# Altium PCB MAIN_BOARD_V3.PcbDoc (part 3 of 4)
Units mm, origin at the board's own origin, x right, y up, seen from the top; angles counter-clockwise.
Board outline 130 x 150 mm, 4 copper layers (TOP, GND/INT_SIG_1, GND/INT_SIG_2, BOTTOM), stack 1.586 mm thick; 408 components, 346 nets, 1739 pads, 289 vias.
Unrouted connection lines stored in the file: 773.
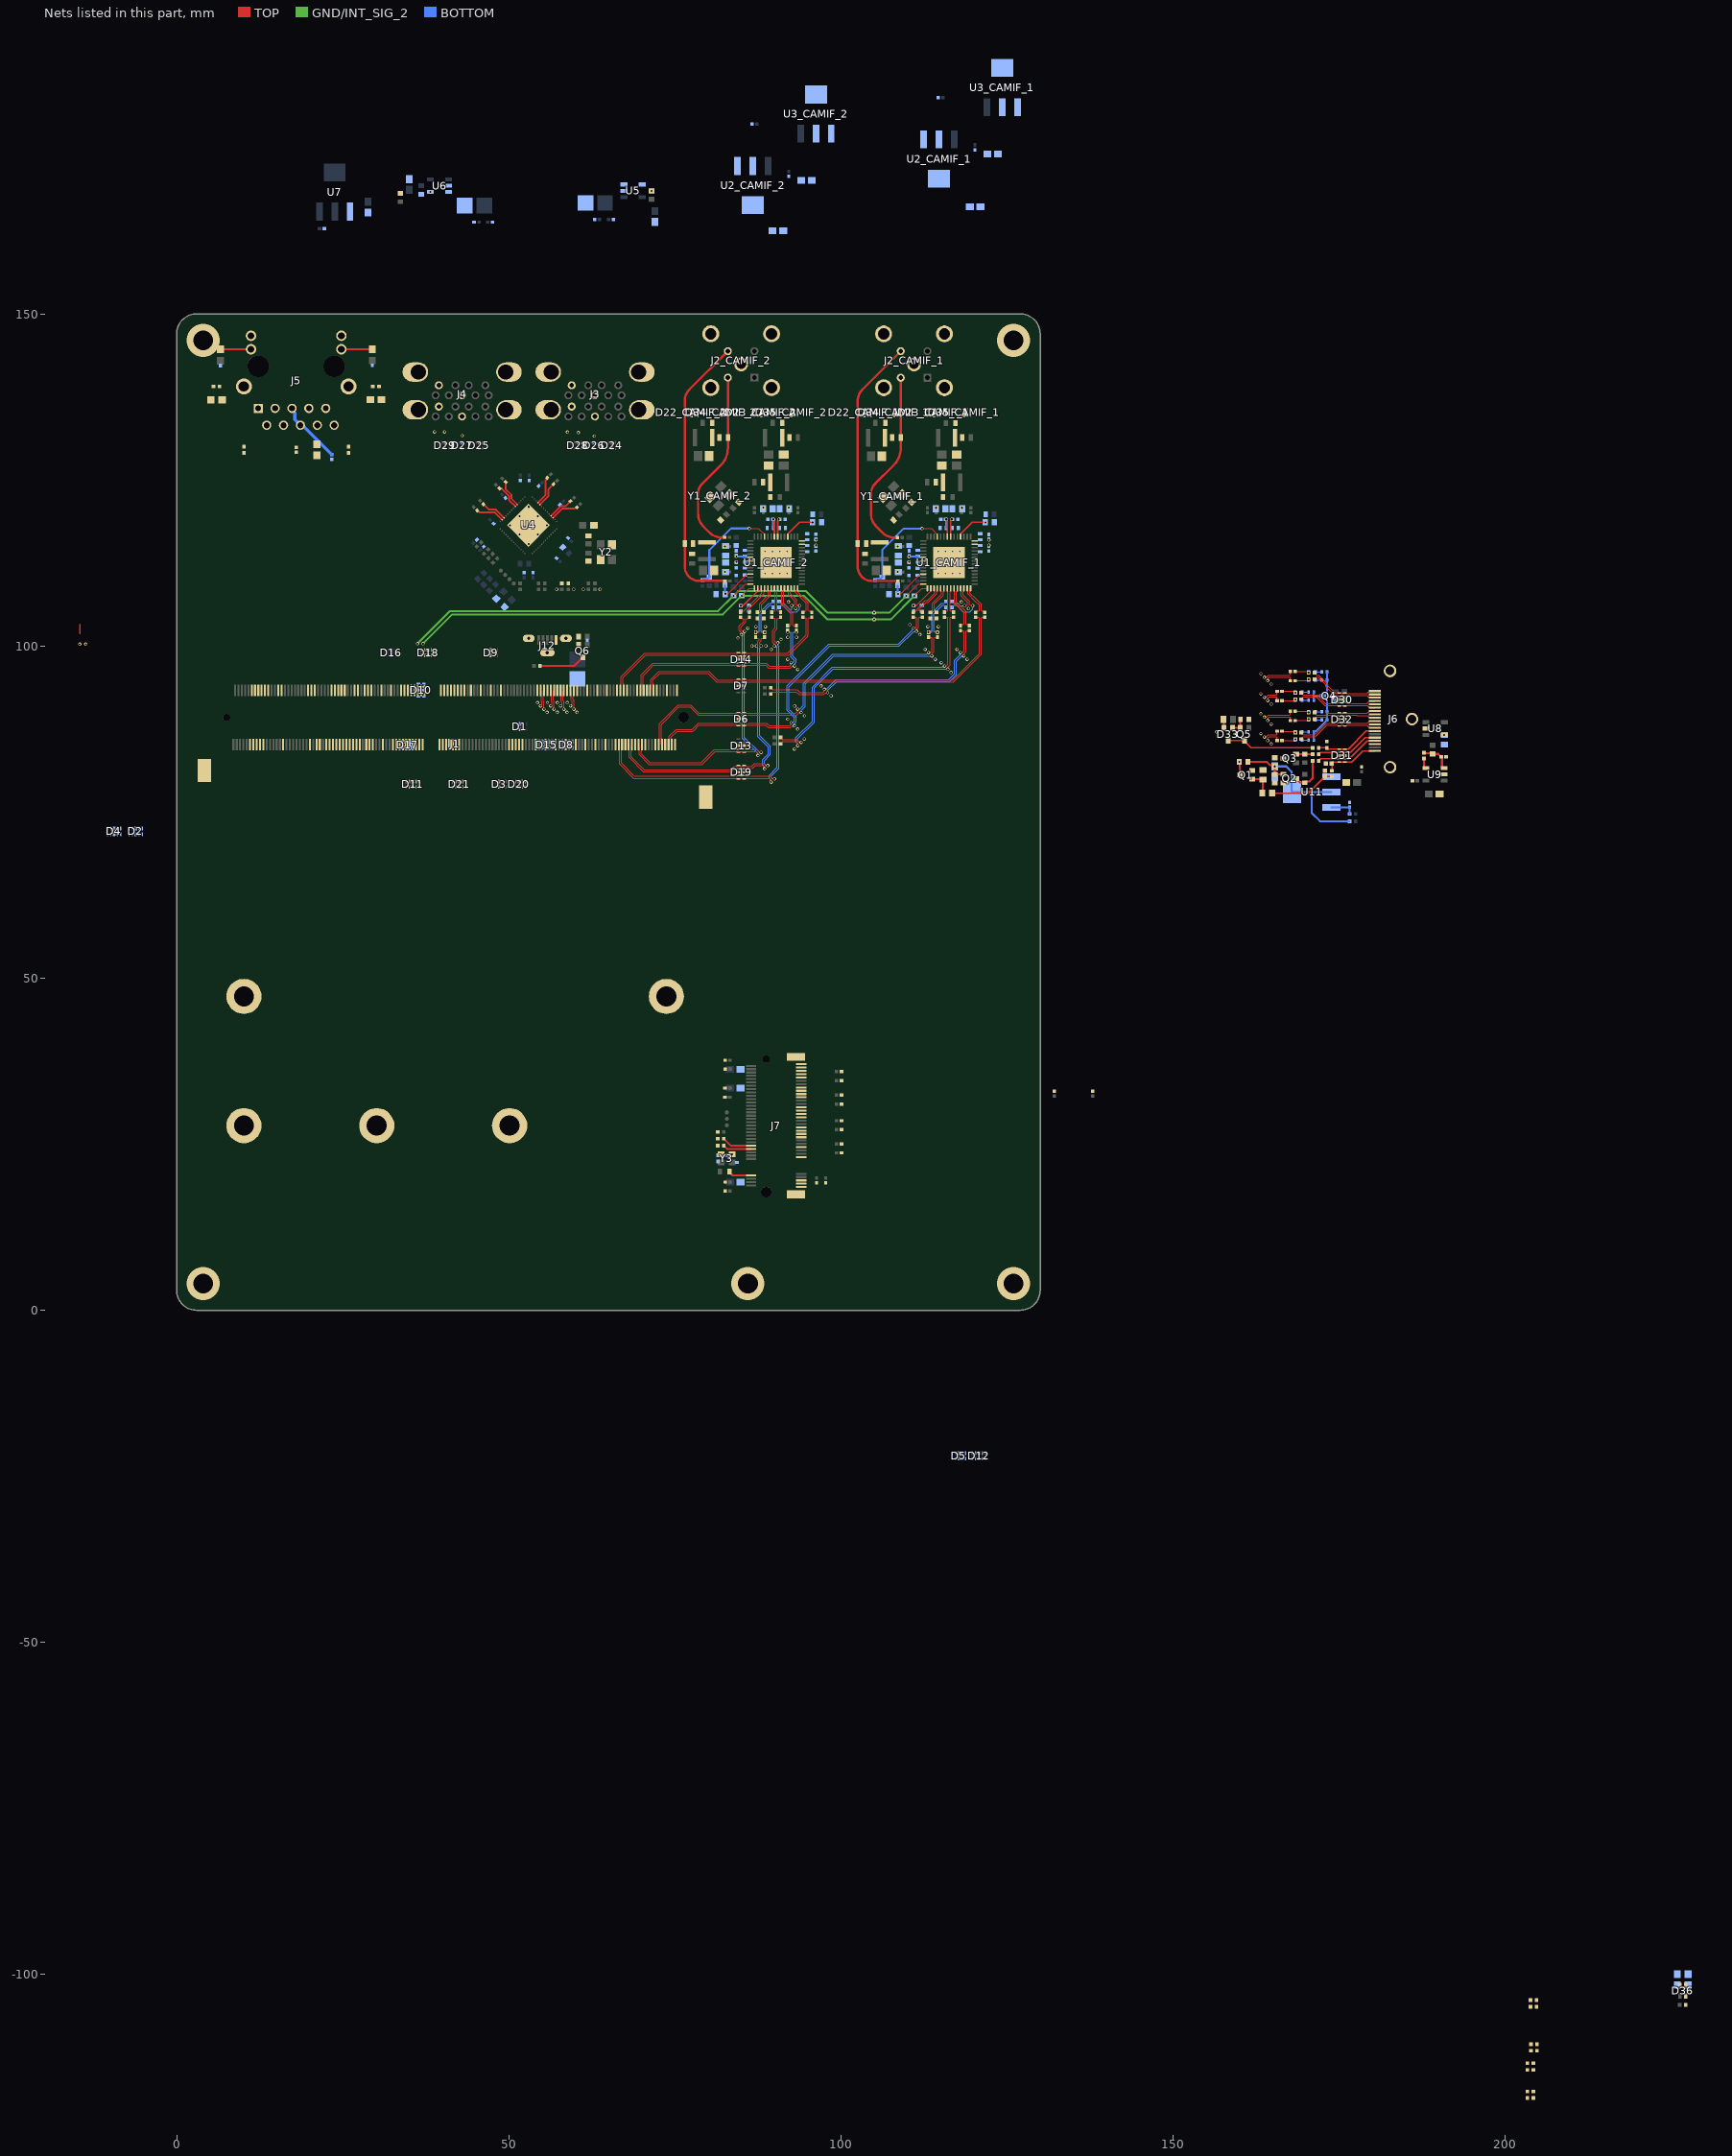
[diagram p5: the nets of this part, all layers, seen from the top]

## Via types
v1: diameter 0.5, hole 0.3, TOP to BOTTOM, 244 vias
v2: diameter 0.5, hole 0.2, TOP to BOTTOM, 32 vias
v3: diameter 1, hole 0.6, TOP to BOTTOM, 8 vias
v4: diameter 5, hole 3, TOP to BOTTOM, 5 vias

## Nets (pads, with @x,y where several pads share a name; then routed paths per layer and width w, separated by ;. In a path a pad name is that pad's centre, name@x,y a point inside that pad or via, vN(x,y) a via of type N, cw(c..) or ccw(c..) an arc to the next point about the centre after c; other vN are vias at no path point) (continued)
CAM_1V2_CAMIF_1: C25_CAMIF_1.1 C26_CAMIF_1.2 C27_CAMIF_1.1 C28_CAMIF_1.2 C35_CAMIF_1.1 C36_CAMIF_1.2 C41_CAMIF_1.1 U1_CAMIF_1.30 U1_CAMIF_1.55 U1_CAMIF_1.56 U3_CAMIF_1.2 U3_CAMIF_1.4 | length 3.9
  TOP w0.254: v1(110.944,106.067) 110.986,106.109 111.361,106.109 113.519,108.267 U1_CAMIF_1.30@113.519,108.692
  other v1: 122.269,115.167 122.269,115.967
CAM_1V2_CAMIF_2: C25_CAMIF_2.1 C26_CAMIF_2.2 C27_CAMIF_2.1 C28_CAMIF_2.2 C35_CAMIF_2.1 C36_CAMIF_2.2 C41_CAMIF_2.1 U1_CAMIF_2.30 U1_CAMIF_2.55 U1_CAMIF_2.56 U3_CAMIF_2.2 U3_CAMIF_2.4 | length 3.9
  TOP w0.254: v1(84.92,106.075) 84.962,106.117 85.337,106.117 87.495,108.275 U1_CAMIF_2.30@87.495,108.7
  other v1: 96.245,115.175 96.245,115.975
CAM_1V8_CAMIF_1: C29_CAMIF_1.1 C30_CAMIF_1.2 C31_CAMIF_1.1 C32_CAMIF_1.2 C40_CAMIF_1.1 U1_CAMIF_1.7 U1_CAMIF_1.21 U2_CAMIF_1.2 U2_CAMIF_1.4 | length 2.7
  TOP w0.254: U1_CAMIF_1.7@116.519,116.442 116.519,118.851 116.669,119.001 v1(116.669,119.067)
  other v1: 110.269,112.667
CAM_1V8_CAMIF_2: C29_CAMIF_2.1 C30_CAMIF_2.2 C31_CAMIF_2.1 C32_CAMIF_2.2 C40_CAMIF_2.1 U1_CAMIF_2.7 U1_CAMIF_2.21 U2_CAMIF_2.2 U2_CAMIF_2.4 | length 2.7
  TOP w0.254: U1_CAMIF_2.7@90.495,116.45 90.495,118.858 90.645,119.008 v1(90.645,119.075)
  other v1: 84.245,112.675
CAM_I2C_SCL: D18.4 D18.7 J1.213 R21_CAMIF_1.1 R21_CAMIF_2.1 TP9.1 U1_CAMIF_1.29 U1_CAMIF_2.29 | length 84.8
  TOP w0.168: v1(85.046,107.575) 86.171,108.7 U1_CAMIF_2.29@86.995,108.7 ; v1(111.07,107.567) 112.195,108.692 U1_CAMIF_1.29@113.019,108.692
  GND/INT_SIG_2 w0.3: v1(37.075,100.342) 41.483,104.75 82.221,104.75 v1(85.046,107.575) 94.425,107.575 98,104 107.503,104 v1(111.07,107.567)
  other v1: 105,104
CAM_I2C_SDA: D18.5 D18.6 J1.215 R17_CAMIF_1.1 R17_CAMIF_2.1 TP8.1 U1_CAMIF_1.28 U1_CAMIF_2.28 | length 85.8
  TOP w0.168: v1(83.845,107.575) 85.595,109.325 U1_CAMIF_2.28@86.37,109.325 ; v1(109.869,107.567) 111.619,109.317 U1_CAMIF_1.28@112.394,109.317
  GND/INT_SIG_2 w0.3: v1(36.25,100.342) 41.158,105.25 81.52,105.25 v1(83.845,107.575) 84.52,108.25 94.75,108.25 98,105 v1(105,105) 107.302,105 v1(109.869,107.567)
CAN_RX: J1.143
CAN_TX: J1.145
CK_CAMIF_1_N: C14_CAMIF_1.2 R7_CAMIF_1.2 R8_CAMIF_1.2 | length 8.3
  TOP w0.168: R7_CAMIF_1.2@114.394,104.167 114.203,103.976 114.164,103.976 114.066,103.878 114.066,102.665 114.066,102.346 114.164,102.248 114.392,102.248 114.544,102.095 v1(114.544,102.067)
  BOTTOM w0.168: v1(114.544,102.067) 114.53,102.081 114.114,102.081 114.016,102.18 114.016,104.848 115.293,106.124 115.53,106.124 115.628,106.026 115.628,106.016 R8_CAMIF_1.2@115.819,105.825
CK_CAMIF_1_P: C11_CAMIF_1.2 R5_CAMIF_1.2 R6_CAMIF_1.2 | length 8.9
  TOP w0.168: v1(113.194,102.095) 113.346,102.248 113.673,102.248 113.772,102.346 113.772,102.788 113.772,103.878 113.673,103.976 113.635,103.976 R5_CAMIF_1.2@113.444,104.167
  BOTTOM w0.168: v1(113.194,102.095) 113.208,102.081 113.623,102.081 113.722,102.18 113.722,104.97 115.171,106.419 115.53,106.419 115.628,106.517 115.628,106.526 R6_CAMIF_1.2@115.819,106.717
CK_CAMIF_2_N: C14_CAMIF_2.2 R7_CAMIF_2.2 R8_CAMIF_2.2 | length 8.3
  TOP w0.168: R7_CAMIF_2.2@88.37,104.175 88.178,103.984 88.14,103.984 88.042,103.886 88.042,102.673 88.042,102.354 88.14,102.256 88.367,102.256 88.52,102.103 v1(88.52,102.075)
  BOTTOM w0.168: v1(88.52,102.075) 88.506,102.089 88.09,102.089 87.992,102.187 87.992,104.855 89.268,106.132 89.505,106.132 89.603,106.034 89.603,106.024 R8_CAMIF_2.2@89.795,105.833
CK_CAMIF_2_P: C11_CAMIF_2.2 R5_CAMIF_2.2 R6_CAMIF_2.2 | length 8.9
  TOP w0.168: v1(87.17,102.103) 87.322,102.256 87.649,102.256 87.747,102.354 87.747,102.795 87.747,103.886 87.649,103.984 87.611,103.984 R5_CAMIF_2.2@87.42,104.175
  BOTTOM w0.168: v1(87.17,102.103) 87.184,102.089 87.599,102.089 87.697,102.187 87.697,104.977 89.146,106.426 89.505,106.426 89.603,106.524 89.603,106.534 R6_CAMIF_2.2@89.795,106.725
CKA_CAMIF_1_N: R8_CAMIF_1.1 U1_CAMIF_1.40 | length 7.7
  TOP w0.168: U1_CAMIF_1.40@118.519,108.692 118.519,108.32 118.416,108.217 118.416,107.659 119.366,106.709 119.366,106.224 119.464,106.126 119.76,106.126 v1(119.819,106.067)
  BOTTOM w0.168: R8_CAMIF_1.1@116.719,105.825 116.91,106.016 116.91,106.026 117.008,106.124 117.451,106.124 117.994,105.581 118.417,105.158 119.419,105.158 119.819,105.558 v1(119.819,106.067)
CKA_CAMIF_1_P: R6_CAMIF_1.1 U1_CAMIF_1.39 | length 5.6
  TOP w0.168: U1_CAMIF_1.39@118.019,108.692 118.019,108.32 118.122,108.217 118.122,107.537 119.072,106.587 119.072,106.224 118.973,106.126 118.678,106.126 v1(118.619,106.067)
  BOTTOM w0.168: R6_CAMIF_1.1@116.719,106.717 116.91,106.526 116.91,106.517 117.008,106.419 117.573,106.419 117.924,106.067 v1(118.619,106.067)
CKA_CAMIF_2_N: R8_CAMIF_2.1 U1_CAMIF_2.40 | length 7.8
  TOP w0.168: U1_CAMIF_2.40@92.495,108.7 92.495,108.328 92.392,108.225 92.392,107.867 93.342,106.917 93.342,106.232 93.44,106.134 93.736,106.134 v1(93.795,106.075)
  BOTTOM w0.168: R8_CAMIF_2.1@90.695,105.833 90.886,106.024 90.886,106.034 90.984,106.132 91.273,106.132 92.292,105.113 93.342,105.113 93.795,105.566 v1(93.795,106.075)
CKA_CAMIF_2_P: R6_CAMIF_2.1 U1_CAMIF_2.39 | length 6.4
  TOP w0.168: U1_CAMIF_2.39@91.995,108.7 91.995,108.328 92.097,108.225 92.097,107.745 93.047,106.795 93.047,106.232 92.949,106.134 92.653,106.134 v1(92.595,106.075)
  BOTTOM w0.168: R6_CAMIF_2.1@90.695,106.725 90.886,106.534 90.886,106.524 90.984,106.426 91.395,106.426 92.358,105.464 92.497,105.464 92.595,105.562 v1(92.595,106.075)
CKC_CAMIF_1_N: R7_CAMIF_1.1 U1_CAMIF_1.34 | length 4.4
  TOP w0.168: R7_CAMIF_1.1@114.394,105.067 114.203,105.258 114.165,105.258 114.066,105.357 114.066,106.326 115.416,107.676 115.416,108.218 115.519,108.32 U1_CAMIF_1.34@115.519,108.692
CKC_CAMIF_1_P: R5_CAMIF_1.1 U1_CAMIF_1.33 | length 4.4
  TOP w0.168: R5_CAMIF_1.1@113.444,105.067 113.635,105.258 113.673,105.258 113.771,105.357 113.771,106.448 115.121,107.798 115.121,108.218 115.019,108.32 U1_CAMIF_1.33@115.019,108.692
CKC_CAMIF_2_N: R7_CAMIF_2.1 U1_CAMIF_2.34 | length 4.4
  TOP w0.168: R7_CAMIF_2.1@88.37,105.075 88.178,105.266 88.14,105.266 88.042,105.364 88.042,106.238 89.392,107.588 89.392,108.225 89.495,108.328 U1_CAMIF_2.34@89.495,108.7
CKC_CAMIF_2_P: R5_CAMIF_2.1 U1_CAMIF_2.33 | length 4.4
  TOP w0.168: R5_CAMIF_2.1@87.42,105.075 87.611,105.266 87.649,105.266 87.747,105.364 87.747,106.36 89.097,107.71 89.097,108.225 88.995,108.328 U1_CAMIF_2.33@88.995,108.7
CSI0_CLK_N: C14_CAMIF_1.1 D6.2 D6.9 J1.10 | length 54.8
  TOP w0.168: J1.10@73.05,85.15 72.984,85.216 72.984,86.097 72.947,86.134 72.947,88.173 75.6,90.825 77.275,90.825 78.498,89.602 84.297,89.602 84.4,89.5 D6.2@84.583,89.5 84.765,89.5 84.868,89.602 85.132,89.602 85.235,89.5 D6.9@85.417,89.5 85.6,89.5 85.703,89.602 93.319,89.602 93.671,89.955 93.955,89.955 v1(94,90) ; v1(113.686,98.508) 113.731,98.553 113.731,98.837 114.014,99.12 114.014,101.231 114.113,101.329 C14_CAMIF_1.1@114.544,101.329
  BOTTOM w0.168: v1(94,90) 94.045,90.045 94.045,90.329 94.65,90.934 94.65,94.283 95.847,95.48 98.874,98.508 v1(113.686,98.508)
CSI0_CLK_P: C11_CAMIF_1.1 D6.1 D6.10 J1.12 | length 54.7
  TOP w0.168: J1.12@72.55,85.15 72.616,85.216 72.616,86.097 72.652,86.134 72.652,88.295 75.478,91.12 77.397,91.12 78.62,89.897 84.297,89.897 84.4,90 D6.1@84.583,90 84.765,90 84.868,89.897 85.132,89.897 85.235,90 D6.10@85.417,90 85.6,90 85.703,89.897 93.197,89.897 93.463,90.163 93.463,90.447 v1(93.508,90.492) ; v1(113.194,99) 113.239,99.045 113.523,99.045 113.72,99.242 113.72,101.231 113.622,101.329 113.202,101.329 C11_CAMIF_1.1@113.194,101.337
  BOTTOM w0.168: v1(93.508,90.492) 93.553,90.537 93.837,90.537 94.355,91.056 94.355,94.405 95.725,95.775 98.752,98.802 112.93,98.802 113.127,99 v1(113.194,99)
CSI0_D0_N: C2_CAMIF_1.1 D6.5 D6.6 J1.4 | length 52.7
  TOP w0.168: J1.4@74.55,85.15 74.484,85.216 74.484,86.097 74.447,86.134 74.447,86.277 75.325,87.155 77.694,87.155 77.866,87.328 78.641,88.102 84.297,88.102 84.4,88 D6.5@84.583,88 84.765,88 84.868,88.102 85.132,88.102 85.235,88 D6.6@85.417,88 85.6,88 85.703,88.102 88.676,88.102 89.087,87.691 92.417,87.691 92.671,87.946 92.955,87.946 v1(93,87.991) ; v1(111.386,102.218) 111.431,102.263 111.431,102.547 111.716,102.832 111.716,104.224 111.814,104.323 C2_CAMIF_1.1@112.244,104.323
  BOTTOM w0.168: v1(93,87.991) 93.045,88.036 93.045,88.32 93.299,88.574 93.299,89.337 92.295,90.342 92.208,90.428 92.208,93.858 98.33,99.98 108.738,99.98 110.931,102.173 111.341,102.173 v1(111.386,102.218)
CSI0_D0_P: C1_CAMIF_1.1 D6.4 D6.7 J1.6 | length 52.7
  TOP w0.168: J1.6@74.05,85.15 74.116,85.216 74.116,86.097 74.152,86.134 74.152,86.399 75.203,87.45 77.571,87.45 78.519,88.397 84.297,88.397 84.4,88.5 D6.4@84.583,88.5 84.765,88.5 84.868,88.397 85.132,88.397 85.235,88.5 D6.7@85.417,88.5 85.6,88.5 85.703,88.397 88.798,88.397 89.209,87.986 92.295,87.986 92.463,88.154 92.463,88.438 v1(92.508,88.483) ; v1(110.894,102.71) 110.939,102.755 111.223,102.755 111.422,102.954 111.422,104.224 111.323,104.323 C1_CAMIF_1.1@110.894,104.323
  BOTTOM w0.168: v1(92.508,88.483) 92.553,88.528 92.837,88.528 93.004,88.696 93.004,89.215 92,90.22 91.914,90.306 91.914,93.98 98.208,100.275 108.616,100.275 110.83,102.49 110.83,102.647 v1(110.894,102.71)
CSI0_D1_N: C4_CAMIF_1.1 R3.2 | length 42.7
  TOP w0.168: R3.2@90.9,86.235 91.091,86.043 91.091,86.004 91.189,85.906 93.308,85.906 93.67,85.544 93.956,85.544 v1(94,85.5) ; v1(116.086,96.508) 116.131,96.553 116.131,96.837 116.416,97.122 116.416,104.249 116.514,104.348 C4_CAMIF_1.1@116.944,104.348
  BOTTOM w0.168: v1(94,85.5) 93.956,85.544 93.67,85.544 93.502,85.712 93.502,86.052 95.995,88.545 95.995,93.697 98.806,96.508 v1(116.086,96.508)
CSI0_D1_P: C3_CAMIF_1.1 R4.2 | length 42.6
  TOP w0.168: R4.2@90.9,85.283 91.091,85.474 91.091,85.513 91.189,85.612 93.186,85.612 93.462,85.336 93.462,85.05 v1(93.506,85.006) ; v1(115.594,97) 115.639,97.045 115.923,97.045 116.122,97.244 116.122,104.249 116.023,104.348 C3_CAMIF_1.1@115.594,104.348
  BOTTOM w0.168: v1(93.506,85.006) 93.462,85.05 93.462,85.336 93.208,85.59 93.208,86.175 95.7,88.667 95.7,93.819 98.684,96.802 115.33,96.802 115.527,97 v1(115.594,97)
CSI1_D0_N: C6_CAMIF_1.1 R1.2 | length 37.5
  TOP w0.168: R1.2@89.45,92.775 89.641,92.966 89.641,93.006 89.739,93.104 93.291,93.104 93.695,92.7 97.417,92.7 97.671,92.955 97.955,92.955 v1(98,93) ; v1(118.486,98.508) 118.531,98.553 118.531,98.837 118.816,99.122 118.816,102.231 118.914,102.329 C6_CAMIF_1.1@119.344,102.329
  BOTTOM w0.168: v1(98,93) 98.045,93.045 98.045,93.329 99.381,94.665 116.359,94.665 117.38,95.686 117.38,97.686 118.157,98.463 118.441,98.463 v1(118.486,98.508)
CSI1_D0_P: C5_CAMIF_1.1 R2.2 | length 37
  TOP w0.168: R2.2@89.45,93.728 89.641,93.537 89.641,93.498 89.739,93.399 93.413,93.399 93.817,92.995 97.295,92.995 97.463,93.163 97.463,93.447 v1(97.508,93.492) ; v1(117.994,99) 118.039,99.045 118.323,99.045 118.522,99.244 118.522,102.231 118.423,102.329 C5_CAMIF_1.1@117.994,102.329
  BOTTOM w0.168: v1(97.508,93.492) 97.553,93.537 97.837,93.537 99.259,94.959 116.237,94.959 117.086,95.808 117.086,97.808 117.949,98.671 117.949,98.955 v1(117.994,99)
CSI1_D1_N: C10_CAMIF_1.1 D7.4 D7.7 J1.15 | length 59.9
  TOP w0.168: J1.15@71.8,93.35 71.734,93.416 71.734,94.297 71.697,94.334 71.697,94.848 72.75,95.9 79.975,95.9 81.273,94.602 84.297,94.602 84.4,94.5 D7.7@84.583,94.5 84.765,94.5 84.868,94.602 85.132,94.602 85.235,94.5 D7.4@85.417,94.5 85.6,94.5 85.703,94.602 116.977,94.602 117.15,94.775 120.944,98.569 121.116,98.741 121.116,104.224 121.215,104.323 C10_CAMIF_1.1@121.644,104.323
CSI1_D1_P: C9_CAMIF_1.1 D7.5 D7.6 J1.17 | length 59.9
  TOP w0.168: J1.17@71.3,93.35 71.366,93.416 71.366,94.297 71.402,94.334 71.402,94.97 72.628,96.195 80.097,96.195 81.395,94.897 84.297,94.897 84.4,95 D7.6@84.583,95 84.765,95 84.868,94.897 85.132,94.897 85.235,95 D7.5@85.417,95 85.6,95 85.703,94.897 116.855,94.897 120.821,98.864 120.821,104.224 120.723,104.323 C9_CAMIF_1.1@120.294,104.323
CSI2_CLK_N: C14_CAMIF_2.1 D19.1 D19.10 J1.28 | length 45.2
  TOP w0.168: J1.28@68.55,85.15 68.484,85.084 68.484,84.203 68.447,84.167 68.447,83.338 70.385,81.4 83.429,81.4 83.927,81.897 84.297,81.897 84.4,82 D19.1@84.583,82 84.765,82 84.868,81.897 85.132,81.897 85.235,82 D19.10@85.417,82 85.6,82 85.703,81.897 86.569,81.897 86.97,82.298 88.416,82.298 88.67,82.044 88.956,82.044 v1(89,82) ; v1(88,100) 88,100.061 87.797,100.264 87.797,100.609 87.988,100.8 87.988,101.061 88.086,101.159 88.367,101.159 88.52,101.312 C14_CAMIF_2.1@88.52,101.337
  BOTTOM w0.168: v1(88,100) 88,99.939 87.797,99.736 87.797,86.48 89.375,84.902 89.375,83.65 88.502,82.777 88.502,82.212 88.67,82.044 88.956,82.044 v1(89,82)
CSI2_CLK_P: C11_CAMIF_2.1 D19.2 D19.9 J1.30 | length 45.7
  TOP w0.168: J1.30@68.05,85.15 68.116,85.084 68.116,84.203 68.153,84.167 68.153,83.216 70.263,81.105 83.551,81.105 84.049,81.603 84.297,81.603 84.4,81.5 D19.2@84.583,81.5 84.765,81.5 84.868,81.603 85.132,81.603 85.235,81.5 D19.9@85.417,81.5 85.6,81.5 85.703,81.603 86.691,81.603 87.092,82.003 88.294,82.003 88.462,81.836 88.462,81.55 v1(88.506,81.506) ; C11_CAMIF_2.1@87.17,101.345 87.17,101.312 87.322,101.159 87.595,101.159 87.693,101.061 87.693,100.922 87.502,100.731 87.502,100.264 87.299,100.061 v1(87.299,100)
  BOTTOM w0.168: v1(87.299,100) 87.299,99.939 87.502,99.736 87.502,86.358 89.08,84.78 89.08,83.772 88.208,82.9 88.208,82.09 88.462,81.836 88.462,81.55 v1(88.506,81.506)
CSI2_D0_N: C2_CAMIF_2.1 D13.4 D13.7 J1.22 | length 43.7
  TOP w0.168: J1.22@70.05,85.15 69.984,85.084 69.984,84.203 69.948,84.166 69.948,83.778 71.25,82.475 79,82.475 80.75,84.225 80.923,84.398 84.297,84.398 84.4,84.5 D13.4@84.583,84.5 84.765,84.5 84.868,84.398 85.132,84.398 85.235,84.5 D13.7@85.417,84.5 85.6,84.5 85.703,84.398 87.317,84.398 87.67,84.044 87.956,84.044 v1(88,84) ; v1(85.494,102.198) 85.45,102.242 85.164,102.242 84.997,102.41 84.997,102.894 85.692,103.589 85.692,104.046 85.79,104.144 86.067,104.144 86.22,104.297 C2_CAMIF_2.1@86.22,104.33
  BOTTOM w0.168: v1(85.494,102.198) 85.494,86.22 87.67,84.044 87.956,84.044 v1(88,84)
CSI2_D0_P: C1_CAMIF_2.1 D13.5 D13.6 J1.24 | length 44
  TOP w0.168: J1.24@69.55,85.15 69.616,85.084 69.616,84.203 69.652,84.166 69.652,83.655 71.041,82.266 71.128,82.18 79.122,82.18 81.045,84.102 84.297,84.103 84.4,84 D13.5@84.583,84 84.765,84 84.868,84.103 85.132,84.103 85.235,84 D13.6@85.417,84 85.6,84 85.703,84.103 87.195,84.103 87.462,83.836 87.462,83.55 v1(87.506,83.506) ; C1_CAMIF_2.1@84.87,104.33 84.87,104.297 85.022,104.144 85.299,104.144 85.397,104.046 85.397,103.711 84.702,103.016 84.702,102.288 84.956,102.034 84.956,101.748 v1(85,101.704)
  BOTTOM w0.168: v1(85,101.704) 85,101.639 85.2,101.439 85.2,86.098 87.462,83.836 87.462,83.55 v1(87.506,83.506)
CSI2_D1_N: C4_CAMIF_2.1 D19.4 D19.7 J1.34 | length 53.3
  TOP w0.168: J1.34@67.05,85.15 66.984,85.084 66.984,84.203 66.947,84.167 66.947,82.353 68.714,80.586 68.903,80.397 84.297,80.397 84.4,80.5 D19.4@84.583,80.5 84.765,80.5 84.868,80.397 85.132,80.397 85.235,80.5 D19.7@85.417,80.5 85.6,80.5 85.703,80.397 89.317,80.397 89.67,80.044 89.956,80.044 v1(90,80) ; v1(90.494,100.494) 90.45,100.538 90.164,100.538 89.997,100.706 89.997,102.204 90.392,102.6 90.392,104.071 90.49,104.169 90.767,104.169 90.92,104.322 C4_CAMIF_2.1@90.92,104.355
  BOTTOM w0.168: v1(90,80) 89.956,80.044 89.67,80.044 89.502,80.212 89.502,80.402 90.695,81.595 90.695,99.952 90.538,100.108 90.538,100.45 v1(90.494,100.494)
CSI2_D1_P: C3_CAMIF_2.1 D19.5 D19.6 J1.36 | length 53.7
  TOP w0.168: J1.36@66.55,85.15 66.616,85.084 66.616,84.203 66.653,84.167 66.653,82.231 68.592,80.292 68.781,80.103 84.297,80.103 84.4,80 D19.5@84.583,80 84.765,80 84.868,80.103 85.132,80.103 85.235,80 D19.6@85.417,80 85.6,80 85.703,80.103 89.195,80.103 89.462,79.836 89.462,79.55 v1(89.506,79.506) ; C3_CAMIF_2.1@89.57,104.355 89.57,104.322 89.722,104.169 89.999,104.169 90.097,104.071 90.097,102.722 89.702,102.326 89.702,100.584 89.956,100.33 89.956,100.044 v1(90,100)
  BOTTOM w0.168: v1(89.506,79.506) 89.462,79.55 89.462,79.836 89.208,80.09 89.208,80.524 90.4,81.717 90.4,99.83 90.293,99.936 90.064,99.936 v1(90,100)
CSI3_D0_N: C6_CAMIF_2.1 D14.1 D14.10 J1.21 | length 32
  TOP w0.168: J1.21@70.3,93.35 70.234,93.416 70.234,94.297 70.197,94.333 70.197,95.522 71.089,96.414 71.778,97.103 84.297,97.103 84.4,97 D14.10@84.583,97 84.765,97 84.868,97.103 85.132,97.103 85.235,97 D14.1@85.417,97 85.6,97 85.703,97.103 88.681,97.103 89.082,96.701 92.417,96.701 92.671,96.955 92.955,96.955 v1(93,97)
  BOTTOM w0.168: v1(93,97) 93.045,97.045 93.045,97.329 93.299,97.583 93.299,97.966 92.792,98.473 92.792,101.969 92.89,102.067 v1(93.32,102.067)
CSI3_D0_P: C5_CAMIF_2.1 D14.2 D14.9 J1.23 | length 32
  TOP w0.168: J1.23@69.8,93.35 69.866,93.416 69.866,94.297 69.903,94.333 69.903,95.644 70.967,96.708 71.656,97.397 84.297,97.397 84.4,97.5 D14.9@84.583,97.5 84.765,97.5 84.868,97.397 85.132,97.397 85.235,97.5 D14.2@85.417,97.5 85.6,97.5 85.703,97.397 88.803,97.397 89.204,96.996 92.295,96.996 92.463,97.163 92.463,97.447 v1(92.508,97.492)
  BOTTOM w0.168: v1(91.97,102.067) 92.399,102.067 92.497,101.969 92.497,98.351 93.004,97.844 93.004,97.705 92.837,97.537 92.553,97.537 v1(92.508,97.492)
CSI3_D1_N: C10_CAMIF_2.1 D14.4 D14.7 J1.33 | length 35.8
  TOP w0.168: J1.33@67.3,93.35 67.234,93.416 67.234,94.297 67.197,94.334 67.197,95.248 70.552,98.603 84.297,98.603 84.4,98.5 D14.7@84.583,98.5 84.765,98.5 84.868,98.603 85.132,98.603 85.235,98.5 D14.4@85.417,98.5 85.6,98.5 85.703,98.603 92.124,98.603 92.297,98.775 94.919,101.398 95.092,101.571 95.092,104.152 95.191,104.25 95.539,104.25 C10_CAMIF_2.1@95.62,104.33
CSI3_D1_P: C9_CAMIF_2.1 D14.5 D14.6 J1.35 | length 35.8
  TOP w0.168: J1.35@66.8,93.35 66.866,93.416 66.866,94.297 66.902,94.334 66.902,95.37 70.43,98.898 84.297,98.898 84.4,99 D14.6@84.583,99 84.765,99 84.868,98.898 85.132,98.898 85.235,99 D14.5@85.417,99 85.6,99 85.703,98.898 92.002,98.898 94.797,101.693 94.797,104.152 94.699,104.25 94.35,104.25 C9_CAMIF_2.1@94.27,104.33
DA0_CAMIF_1_N: C2_CAMIF_1.2 U1_CAMIF_1.32 | length 5.4
  TOP w0.168: C2_CAMIF_1.2@112.244,105.056 112.244,105.089 112.092,105.242 111.802,105.242 111.704,105.34 111.704,105.479 112.829,106.604 113.153,106.604 114.404,107.854 114.404,108.205 114.519,108.32 U1_CAMIF_1.32@114.519,108.692
DA0_CAMIF_1_P: C1_CAMIF_1.2 U1_CAMIF_1.31 | length 5.4
  TOP w0.168: C1_CAMIF_1.2@110.894,105.056 110.894,105.089 111.046,105.242 111.336,105.242 111.434,105.34 111.434,105.59 112.717,106.873 113.042,106.873 114.134,107.966 114.134,108.205 114.019,108.32 U1_CAMIF_1.31@114.019,108.692
DA0_CAMIF_2_N: C2_CAMIF_2.2 U1_CAMIF_2.32 | length 4.7
  TOP w0.168: C2_CAMIF_2.2@86.22,105.063 86.067,105.216 86.067,105.307 86.027,105.348 86.027,105.486 88.392,107.852 88.392,108.225 88.495,108.328 U1_CAMIF_2.32@88.495,108.7
DA0_CAMIF_2_P: C1_CAMIF_2.2 U1_CAMIF_2.31 | length 5.2
  TOP w0.168: C1_CAMIF_2.2@84.87,105.063 84.87,105.089 85.022,105.241 85.365,105.241 88.097,107.974 88.097,108.225 87.995,108.328 U1_CAMIF_2.31@87.995,108.7
DA1_CAMIF_1_N: C4_CAMIF_1.2 U1_CAMIF_1.36 | length 4
  TOP w0.168: U1_CAMIF_1.36@116.519,108.692 116.519,108.32 116.416,108.218 116.416,107.005 116.416,105.365 116.515,105.266 116.792,105.266 116.944,105.114 C4_CAMIF_1.2@116.944,105.081
DA1_CAMIF_1_P: C3_CAMIF_1.2 U1_CAMIF_1.35 | length 4
  TOP w0.168: C3_CAMIF_1.2@115.594,105.081 115.594,105.114 115.746,105.266 116.023,105.266 116.121,105.365 116.121,107.127 116.121,108.218 116.019,108.32 U1_CAMIF_1.35@116.019,108.692
DA1_CAMIF_2_N: C4_CAMIF_2.2 U1_CAMIF_2.36 | length 4